# Allegro board 1155001-Timing_board_V3_20241024_1805_pcb.brd (continued)
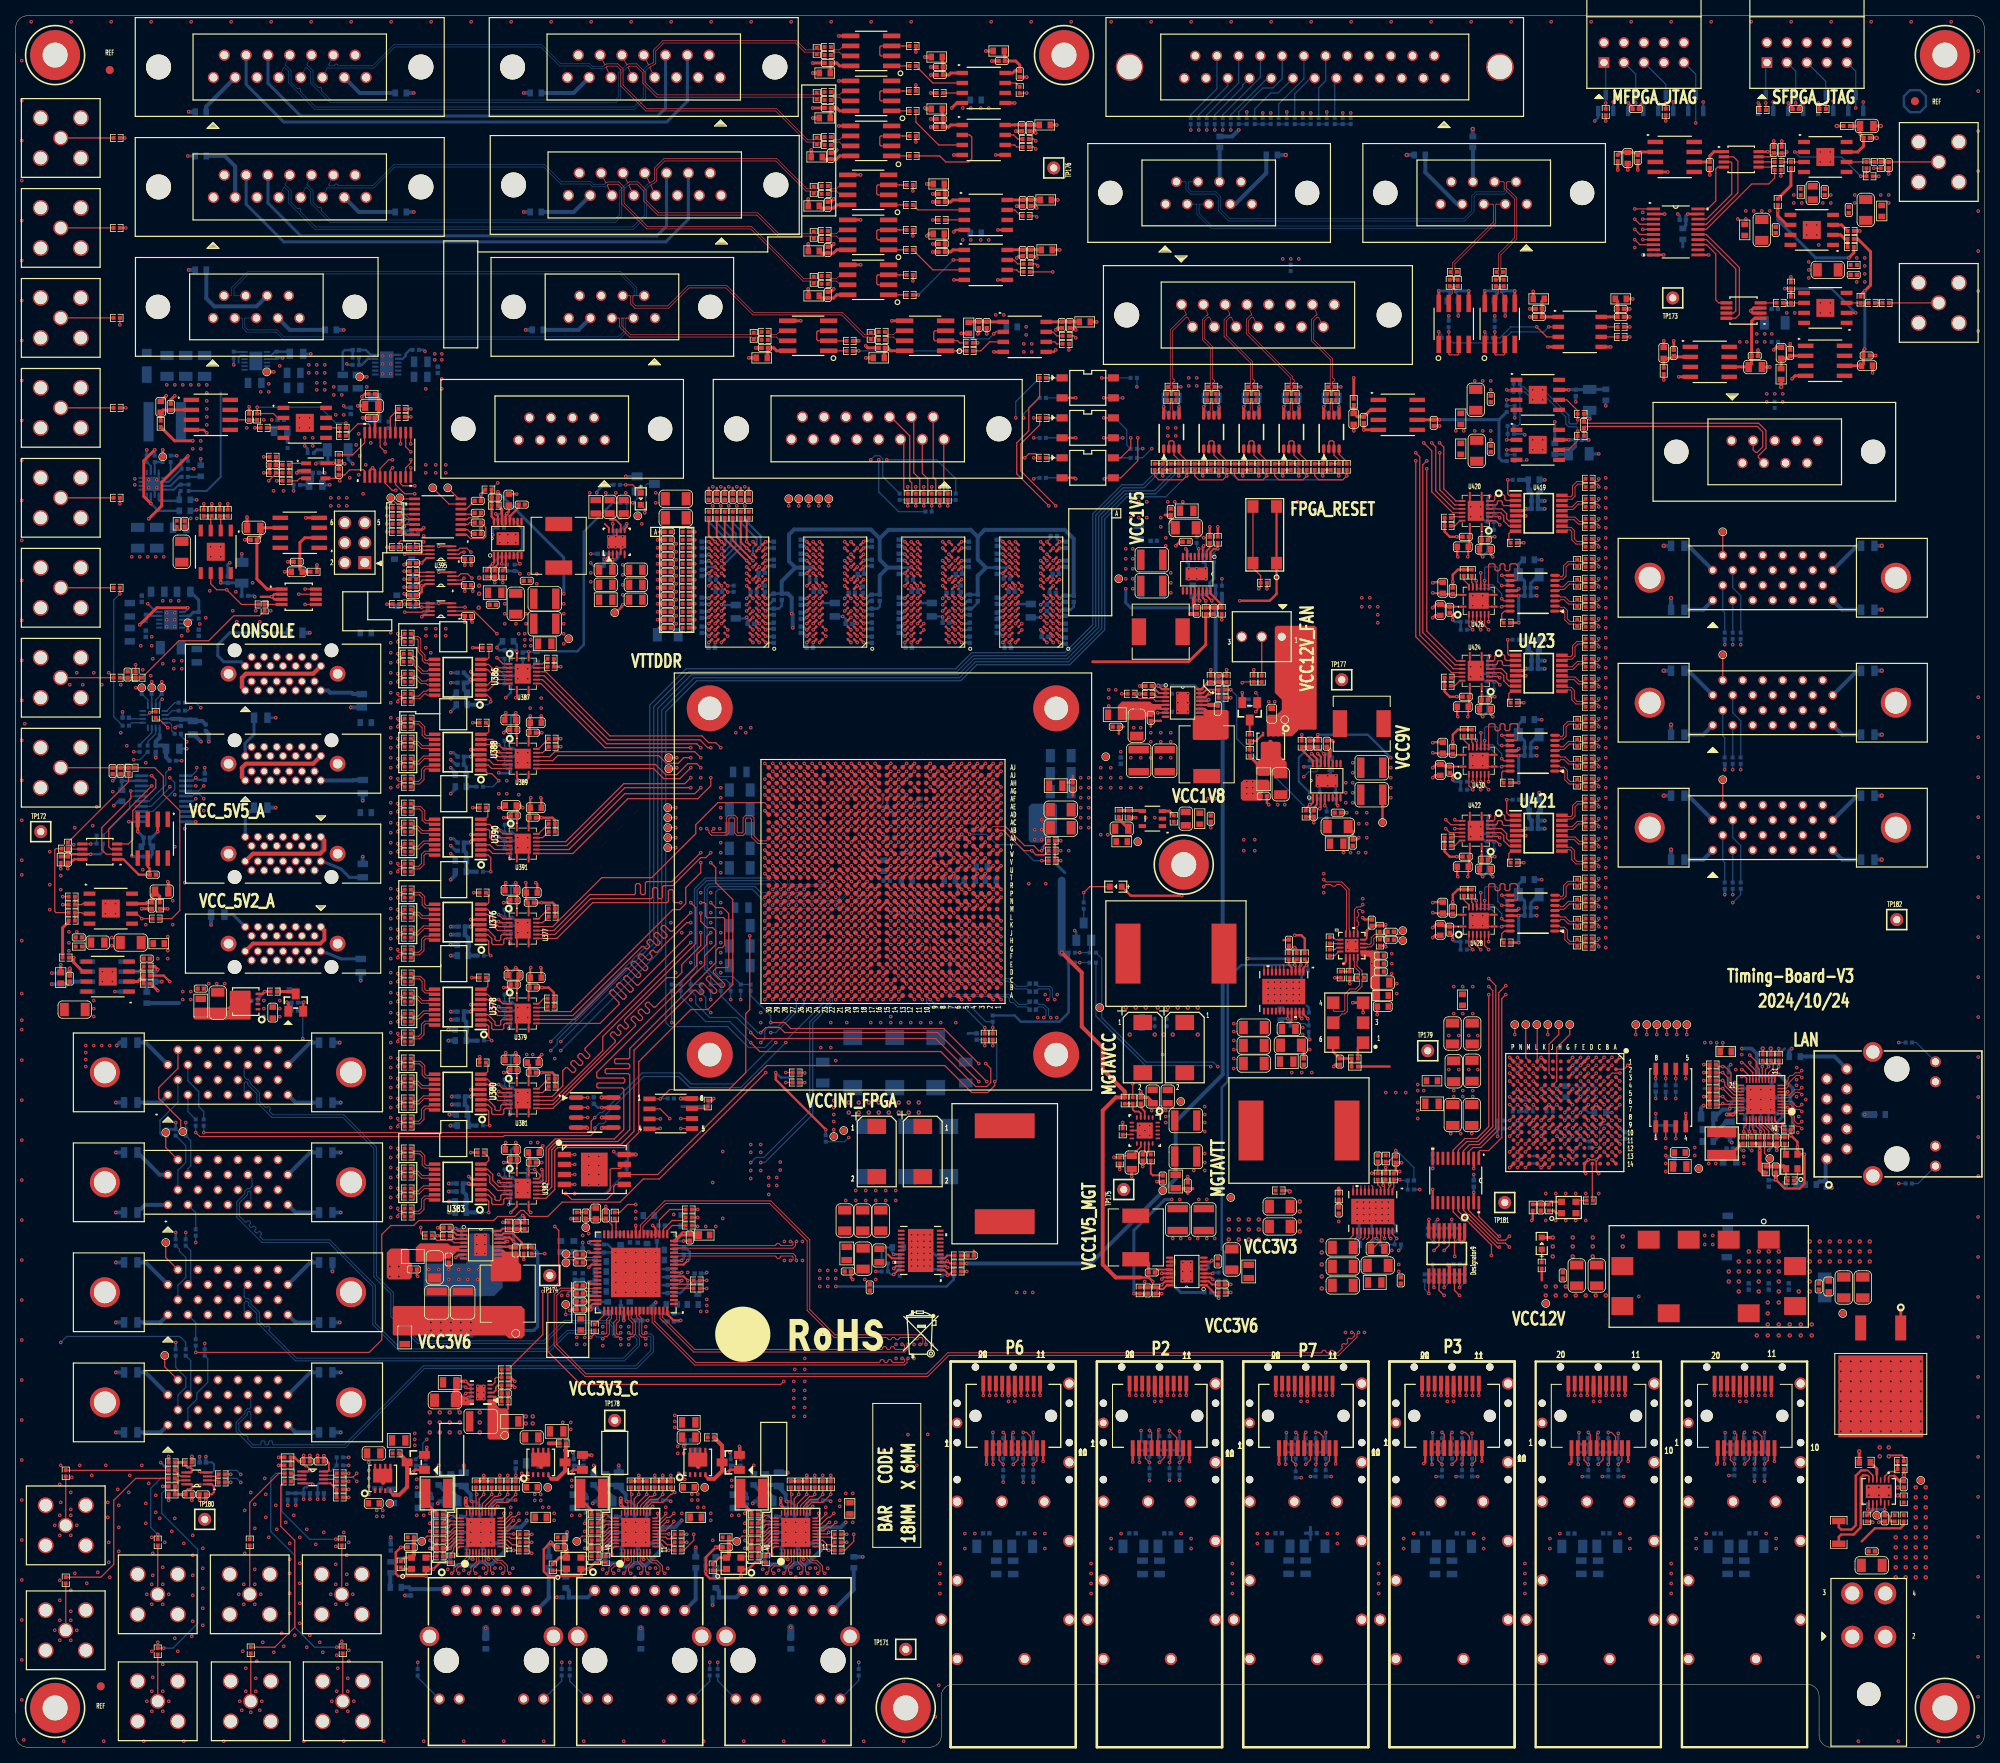
[diagram p0: board, top side]
## Placement (name value [footprint] x y rotation side) (continued)
U404  -  [ISL3259EIBZ]  115.5 179.33 180 top
U405  -  [ISL3259EIBZ]  108.64 204.1 180 top
U406  -  [ISL3259EIBZ]  108.64 209.81 180 top
U407  -  [ISL3259EIBZ]  108.64 215.53 180 top
U408  -  [ADUM120N0BRZ]  122.94 204.22 0 top
U409  -  [ADUM120N0BRZ]  122.94 210.82 0 top
U410  -  [ISL3259EIBZ]  108.26 186.45 180 top
U411  -  [ISL3259EIBZ]  108.26 192.16 180 top
U412  -  [ISL3259EIBZ]  108.26 197.88 180 top
U413  -  [ADUM120N0BRZ]  123.19 188.34 0 top
U414  -  [ADUM120N0BRZ]  123.19 194.69 0 top
U415  -  [ADA4625-1ARDZ]  25.4 151.89 270 top
U416  -  [ADR4525BRZ]  11.56 97.92 180 bottom
U417  -  [ADA4625-1ARDZ]  11.68 97.92 180 top
U419  DSLVDS1047PWR  [SOP65P640X120-16N]  193.42 156.78 0 top
U420  -  [SN74AVC4T245RGYR]  185.42 157.1 90 top
U421  DSLVDS1047PWR  [SOP65P640X120-16N]  193.42 116.14 0 top
U422  -  [SN74AVC4T245RGYR]  185.42 116.46 90 top
U423  DSLVDS1047PWR  [SOP65P640X120-16N]  193.42 136.46 0 top
U424  -  [SN74AVC4T245RGYR]  185.42 136.78 90 top
U425  -  [DSLVDS1048PWR]  192.62 146.62 180 top
U426  -  [SN74AVC4T245RGYR]  185.8 145.67 0 top
U427  -  [DSLVDS1048PWR]  192.62 105.98 180 top
U428  -  [SN74AVC4T245RGYR]  185.8 105.03 0 top
U429  -  [DSLVDS1048PWR]  192.62 126.3 180 top
U430  -  [SN74AVC4T245RGYR]  185.8 125.35 0 top
U431  -  [TXS0108EPWR]  182.88 72.01 270 top
U432  -  [TCA9546APWR]  181.74 62.74 270 top
U433  -  [ADR4550BRZ]  210.69 202.06 0 top
U434  -  [MAX5216GUA]  219.13 201.75 0 top
U435  -  [TXS0108EPWR]  210.82 192.53 0 top
U436  -  [ADA4625-1ARDZ]  229.82 202.06 0 top
U437  -  [THVD1450DGKR]  167.09 167.11 90 top
U439  -  [ADR4525BRZ]  229.79 176.16 0 top
U440  -  [ADA4625-1ARDZ]  228.09 192.79 180 top
U441  -  [ADA4625-1ARDZ]  229.82 182.88 180 top
U443  -  [AD7680BRMZ]  219.42 182.54 180 top
U444  -  [ADR4550BRZ]  215.14 176.02 0 top
U445  -  [THVD1450DGKR]  156.93 167.11 90 top
U446  -  [THVD1450DGKR]  151.85 167.11 90 top
U447  -  [THVD1450DGKR]  146.77 167.11 90 top
U448  -  [THVD1450DGKR]  162.01 167.11 90 top
U454  -  [ADR4550BRZ]  175.51 169.29 0 top
U455  -  [ADA4625-1ARDZ]  193.29 165.48 0 top
U456  -  [ADA4625-1ARDZ]  193.29 171.83 0 top
U457  -  [ADUM120N0BRZ]  198.63 179.83 0 top
U458  -  [ISL3259EIBZ]  182.63 180.85 90 top
U459  -  [ISL3259EIBZ]  188.47 180.85 90 top

## Library data of the parts
C2 C13-C15 C22 C23 C44 C72 C73 C97 C140 C461-C463 C490-C492 C505 C508-C519 C524-C527 C546-C548 C552-C555 C596-C598 C602-C605 C624-C626 C630-C633 C641 C798-C800 C815 C839 C842 C847 C849 C851-C853 C864 C866 C881 C883 C885 C1184-C1186 C2251-C2256 C2404 C2405 C2408 C2409 C2420 C2426 C2428 C2599-C2602 C2605 C2607-C2611 C2613 C2614 C2617 C2618 C2620 C2622-C2626 C2628 C2629 C2632 C2771 C2772 C2795-C2802 C2852 C2853 C2855 C2857-C2861 C2863 C2864 C2871 C2873 C2875 C2878 C2879 C2887 C2888 C2895 C2896 C2908 C2910 C2913 C2914 C2920 C2921 C2944-C2950 C3022 C3023 C3026 C3027 C3031 C3032 C3035 C3037 C3046 C3047 C3067 C3069 C3071 C3073 C3075 C3077 C3079 C3080 C3085 C3086 = 0_1UF_0
C78 C99 C114 C115 C1153-C1156 C1162 C1178 C1197 C1202-C1205 C1212-C1215 C1228 C1274 C2406 C2407 C2410 C2411 C2537 C2579 C3024 C3025 C3028 C3029 = 22UF_0
C123 = 47UF_0: signal model: SR0402-BGA_0
C143 C399 C418 C421 C521 C549 C599 C627 C766 C770 C777 C784 C791 C1168-C1174 C1193-C1196 C1224-C1227 C1232 C1233 C1267-C1270 C2434 C2533-C2536 C2581 = 47UF_0
C144-C148 C150-C153 C419 C420 C422 C495-C504 C506 C507 C522 C523 C528-C536 C538-C543 C550 C551 C556-C565 C567-C573 C578-C587 C589-C595 C600 C601 C606-C615 C617-C623 C628 C629 C753 C754 C757-C759 C767 C768 C771 C773 C774 C778-C783 C785-C790 C792-C797 C865 C995 C996 C999 C1151 C2259-C2266 C2268 C2269 C2272-C2279 C2615 C2630 C2865 = 4_7UF_0
C159-C162 C400-C402 C493 C494 C636 C638 C639 C751 C2633-C2636 = 100UF_0
C187 C520 C544 C545 C574-C577 C930 C932 C934 C935 C938-C942 C967 C968 C989 C990 C993 C994 C1000 C1003 C1005 C1007-C1009 C1012 C1015 C1018 C1021 C1024 C1027 C1030 C1033 C1135 C1136 C1145 C1146 C1148 C1152 C1159 C1163 C1165-C1167 C1176 C1177 C1179-C1183 C1187 C1188 C1190-C1192 C1198 C1201 C1208 C1211 C1218 C1219 C1221-C1223 C1229-C1231 C1235 C1265 C1272 C1273 C1275 C1276 C1338 C1340 C1348 C2422 C2423 C2425 C2430 C2432 C2435 C2527 C2528 C2530-C2532 C2557 C2580 C2582 C2583 C2585 C2586 C2593-C2595 C2597 C2638 C2641 C2644 C2867 C2886 C2889 C2892 C2906 C2917 C2924 C2927 C2929 C2969-C2996 C2998 C3000 C3001 C3003-C3005 C3009 C3011 C3013 C3014 C3018 C3039 C3042 C3049 C3052 C3061 C3064 C3081 C3083 C3084 C3087 C3090-C3092 C3099 C3101 C3102 C3104 C3107 C3109 C3110 C3112 C3114 C3115 C3117 C3119 C3121 C3132 C3137 C3138 C3140 C3142 C3144-C3151 = 0_01UF_0
C217 = 0_1UF_0: signal model: SC0402-BGA-A_100NF/25V
C224 C640 C1157 C1206 C1216 C2110 C2591 C3016 C3017 = 4_7UF_1
C250 C566 C588 C616 C841 C846 C850 C1234 C1237 C1238 C1339 C1341 C2598 C2603 C2604 C2606 C2612 C2616 C2619 C2621 C2627 C2639 C2640 C2642 C2645 C2851 C2854 C2856 C2862 C2868 C3113 = 10UF_1
C271 C838 C1006 C1011 C1014 C1017 C1020 C1023 C1026 C1029 C1032 C1035 C1140 C2631 C2637 C2769 C2770 C2870 C2882 C2890 C2893 C2907 C2918 C2925 C2928 C3040 C3043 C3050 C3053 C3062 C3065 = 1000PF_0
C340-C344 C882 C884 C933 C2109 C2111 C2421 C2429 C2433 C2558 C3002 C3088 C3089 C3095 C3116 C3118 C3120 C3122 = 10UF_0
C642 = 0_01UF_0: signal model: SC0402_100NF/10V
C854 C855 = 0_1UF_0: signal model: SC0402_100NF/10V
C859 = 10UF_1: signal model: SC0402_100NF/10V
C936 C997 C1001 C1002 C1004 C1010 C1013 C1016 C1019 C1022 C1025 C1028 C1031 C1034 C1144 C1158 C1164 C1175 C1189 C1207 C1217 C1220 C1264 C1271 C1347 C2257 C2258 C2267 C2270 C2271 C2424 C2529 C2584 C2596 C2643 C2646 C2869 C2874 C2876 C2877 C2880 C2881 C2883-C2885 C2891 C2894 C2897 C2904 C2909 C2911 C2912 C2915 C2916 C2919 C2922 C2923 C2926 C3006-C3008 C3010 C3030 C3033 C3034 C3036 C3038 C3041 C3044 C3045 C3048 C3068 C3070 C3072 C3074 C3076 C3078 C3082 C3094 C3098 C3100 C3111 C3136 = 1UF_0
C1134 C1137-C1139 C1142 C1147 C1149 C1150 C1349 C2647 C2648 C2930 C2931 C2936-C2938 C2997 C2999 C3012 C3015 C3019 C3060 C3063 C3066 C3093 C3103 C3105 C3106 C3108 C3131 C3139 C3141 C3143 = 10UF_2
C2394 C2395 = 0_01UF_0: signal model: C0402_0.1UF
CC1-CC8 CC13 CC14 = 680UF_TANT_E_1
D1-D8 = BAT54CLT1G_2
D9 = DFLS240_7
DS10 DS18 DS24 = LED-GRN-SMT_LED_2
J1 J56 = 10PIN_CONNECTOR_1
J6 J106 J107 J109 = KRJ-320DNL_1
J18 = POWER_HDR_0
J31 J63-J66 J95 J96 J105 J116-J123 J125 J126 = SMA_3
J61 = HDR_5
J62 J73 J74 J77 J80 J81 J94 J104 J112-J114 = 12226-5150-00FR_framegrabbercon
J82 = DB25
J84 J87 J89 J130-J132 = DB9
J86 J91-J93 J103 J127 = J29B-15ZKWZ1V
J115 = CON_2X3
L3 L5-L7 L11 L12 L34-L36 L40-L45 L47 L48 L54-L65 L87 L89-L93 L95 L96 L98 L100 L101 L103 L117 L118 L122 L131 L134 L233 L242-L245 L257-L260 L264 L266-L271 L287 L288 L290 L292 L295 L312 L313 L322 L330-L342 L344-L348 L350-L353 L355-L361 L370-L375 L392-L401 L406 L407 L414 L415 L422-L424 L426-L434 L436-L439 L444-L446 L448 L449 L459-L479 L482-L500 L502 L504-L514 L526-L539 = BLM15HD102SN1_0
L85 L97 L99 = 2773021447_1
L86 L88 L94 L102 L116 L229 L246 L314 L349 L354 L425 = INDUCTOR3_1
MH1-MH7 = HOLE_MH_125_3
P2 P3 P6-P9 = 74441-0010_1
Q1 = 2SK1824_1
Q10 Q15 Q21 Q23 Q25 Q27 Q29 = NDS331N_SOT23_1
Q20 Q22 Q24 Q26 Q28 = CSD25402Q3A_1
R4 R8 R11-R14 R18-R23 R41 R42 R123 R124 R127-R134 R391 R392 R495-R501 R513 R516 R520 R521 R658-R660 R784 R785 R845 R849-R851 R856 R857 R860-R875 R1199 R2050-R2066 R2184 R2187 R2354 R2409 R2412 R2415 R2432-R2439 R2461 R2462 R2467 R2468 R2476 R2478-R2486 R2489-R2499 R2507 R2509-R2517 R2520-R2528 R2532 R2609 R2615 R2621 R2627 R2741 R2742 R2750 R2752-R2760 R2763-R2771 R2874-R2876 R2889 R2897 R2898 R2905 R2915 R2916 R2921 R2922 R2925 R2953 R2955 R2958 R2969 R2977 R2978 R2987 R2995 R2996 R3023 R3027 R3029 R3031 R3055 R3061 R3067 R3072 R3077 R3085 R3090 R3095 R3103 R3104 R3151 R3175-R3184 R3186-R3195 R3199-R3201 R3215-R3217 R3231-R3233 R3245 R3246 R3257 R3258 R3267 R3268 R3283 R3415 R3420 = 4_7K_0
R87 R3120 = 249_0402
R159-R164 R460-R478 R481 R482 R488 = 80_6_0
R165 R985 R3114 R3287 = 100_0
R219-R221 R277 R455 R456 R667 R668 R987 R1033 R1034 R1036-R1050 R1052 R1055-R1058 R1062 R1063 R1065 R1068 R1072-R1074 R1076-R1080 R1083-R1086 R1089 R1091-R1095 R1098-R1100 R1103 R1107-R1109 R1112 R1139 R1144 R1146 R1147 R1196 R1198 R1894 R1895 R2073-R2075 R2079 R2080 R2274 R2278-R2280 R2402-R2404 R2440 R2530 R2531 R2533-R2535 R2537 R2538 R2540 R2541 R2774 R2776 R3058 R3064 R3070 R3075 R3080 R3088 R3093 R3098 R3108 R3109 R3112 R3113 R3118 R3121 R3123 R3124 R3127-R3129 R3131 R3134 R3150 R3284 R3285 R3328-R3330 R3338 R3339 R3341-R3343 R3345 R3346 R3352 R3354 R3358-R3360 R3362 R3366-R3368 R3370 R3374-R3376 R3378 R3382-R3384 R3407 R3408 R3411 R3412 R3419 R3424 = 10_0K_0
R233 = 15_1: signal model: SR0402-BGA_0
R276 R337-R342 R657 R1928 R2469 R2470 R2500 R2501 R2558-R2561 R2610 R2611 R2613 R2616 R2618 R2620 R2622 R2623 R2625 R2628 R2630 R2632 R2743 R2744 R2772 R2873 R2883 R2884 R2886 R2887 R2891 R2901-R2904 R2907 R2917-R2920 R2923 R2924 R2926 R2927 R2929 R2954 R2963 R2965-R2967 R2971 R2981-R2984 R2986 R2997-R3000 R3006 R3028 R3032 R3152 R3174 R3185 R3203 R3209-R3212 R3219 R3225-R3228 R3235 R3241-R3244 R3247-R3256 R3259-R3266 R3269-R3274 = 1_00K_0
R395 R396 R787 R834 R835 R2573-R2576 R2790 R2791 = 261_0
R458 R490 R492 R494 = 100_C402_0
R459 R669 R786 R844 R848 R852-R855 R858 R931 R934-R937 R943-R946 R986 R993-R1001 R1051 R1054 R1059 R1060 R1064 R1067 R1070 R1075 R1088 R1090 R1101 R1102 R1105 R1110 R1111 R1113-R1115 R1140 R1141 R1143 R1149 R1154 R1197 R1908 R1910 R1911 R1922-R1924 R1929 R2047 R2048 R2071 R2077 R2078 R2083 R2162-R2167 R2169 R2185 R2186 R2188 R2189 R2273 R2276 R2281 R2344 R2355-R2362 R2401 R2410 R2411 R2413 R2414 R2416-R2429 R2447 R2448 R2463 R2464 R2471 R2472 R2474 R2475 R2477 R2487 R2488 R2502 R2504-R2506 R2508 R2518 R2519 R2536 R2539 R2612 R2614 R2617 R2619 R2624 R2626 R2629 R2631 R2745 R2747-R2749 R2751 R2761 R2762 R2775 R2877-R2882 R2890 R2892-R2896 R2899 R2900 R2909-R2914 R2928 R2930 R2933-R2936 R2939 R2941 R2947 R2948 R2951 R2952 R2956 R2957 R2959-R2962 R2964 R2968 R2970 R2972-R2976 R2979 R2980 R2985 R2988-R2994 R3005 R3056 R3057 R3062 R3063 R3068 R3069 R3073 R3074 R3078 R3079 R3086 R3087 R3091 R3092 R3096 R3097 R3197 R3198 R3202 R3204-R3208 R3213 R3214 R3218 R3220-R3224 R3229 R3230 R3234 R3236-R3240 R3291 R3292 R3303-R3326 R3356 R3357 R3364 R3365 R3372 R3373 R3380 R3381 R3417 R3418 R3422 R3423 = 0_0: signal model: 0_0_R0402_0_0
R479 R480 R483 R484 = 80_6_0: signal model: SR0402-BGA_0
R502 R506 R508 R676 R678 R680 R833 R2563 R2564 R2785 = 15_1
R503-R505 R507 R509-R512 R670 = 15_1: signal model: 15_1_R0402_0_0
R517 = 4_7K_0: signal model: SR0603_49.9
R665 R666 R788-R791 R984 R988 R1004 R1005 R1053 R1061 R1066 R1069 R1071 R1081 R1104 R1106 R1142 R1145 R1925 R2046 R2127-R2132 R2168 R2183 R2190-R2199 R2275 R2277 R2327-R2331 R2345 R2352 R2353 R2368 R2405-R2407 R2449-R2453 R2458 R2459 R2473 R2503 R2529 R2746 R2777-R2784 R2805 R2806 R3024-R3026 R3034 R3059 R3060 R3065 R3066 R3071 R3076 R3081-R3084 R3089 R3094 R3099-R3102 R3106 R3111 R3116 R3117 R3119 R3122 R3125 R3126 R3130 R3141 R3142 R3149 R3153-R3173 R3196 R3275-R3282 R3288 R3327 R3331 R3340 R3344 R3348 R3350 R3351 R3353 R3355 R3361 R3363 R3369 R3371 R3377 R3379 R3385 R3398 R3400 R3402 R3405 R3406 R3409 R3410 R3413 R3414 R3416 R3421 = 0_0
R991 R992 R3110 R3115 R3286 R3347 = 49_9_0
R2070 = 49_9_0: signal model: 0_0_R0402_0_0
SW8 = TL3301EF100QG-ND_0
TP20 TP31 TP32 TP37-TP45 TP47-TP50 TP52 TP60-TP62 TP68 TP69 TP78-TP80 TP86 TP90-TP106 TP110 TP111 TP116 TP117 TP133-TP138 TP142 TP143 TP145-TP147 TP149 TP158-TP170 TP183-TP186 = TEST-POINT_1
TP171-TP182 = TEST POINT
U3 = MAX232A_0
U6 = AT25M01-SHM-B_1
U7 = W25Q16DVUUIG_3
U23 = TPS51200DRCT_0
U75-U78 = MT41K512M16TNA-125_2
U79 = TMP75BIDR_1
U88 = XC7S15-1FTGB196I_2
U89 = W25Q16DVUUIG_4
U90 U94 U326 U328 U375 = NZ2520SB_2
U93 U325 U327 U374 = RTL8211F_2
U98 = AD5592RBCPZ-1-RL7_0
U103 = SIT5021AI-2DE-33E-100_0.000000X
U105 = HMC7044LP10BE_1
U111 = QPI-12LZ
U112 = LT4356-1_1
U113 U117 U118 = TPS53353DQPR_5
U114-U116 U119 U126 U298 = LT8610EMSE_3
U120 = TPS7A8500ARGRR_3
U127 = MAX22026FAWA_3
U133 = LT1763CDE-1P8PBF_0
U134 = HEAT_SINK_5
U239 = LT3094EDDPBF_0
U245 = LMK1D1204RGTR_1
U247 = XC7K325T-2FFG900I_4
U267 = AD8065ARTZ-REEL
U268 U317 U433 U444 U454 = ADR4550BRZ
U269 U305 U415 U417 U436 U440 U441 U455 U456 = ADA4625-1ARDZ
U271 = AD5445YRUZ_1
U280 U303 U304 U313-U315 = AB37S
U318 U434 = MAX5216GUA
U321 = LT3045EDDPBF
U322 = ADR4550BRZ_0
U323 U443 = AD7680BRMZ_0
U324 U431 U435 = TXS0108E_1
U329 = R1112NXX1B_1
U350-U353 U394-U396 = SN74LVC2T45DCUR
U376 U378 U380 U383 U386 U388 U390 U419 U421 U423 = DSLVDS1047PWR_1
U377 U379 U381 U382 U387 U389 U391 U420 U422 U424 U426 U428 U430 = SN74AVC4T245RGYR_1
U392 = ADP5074ACPZ-R7_1
U402 U404-U407 U410-U412 U458 U459 = SN65HVD78DR_2
U403 U408 U409 U413 U414 U457 = ADUM120N0BRZ
U416 U439 = ADR4520BRZ
U425 U427 U429 = DSLVDS1048PWR
U432 = TCA9546APWR_1
U437 U445-U448 = THVD1450DGKR

## Footprints (pads in the part's own frame, mm; a bottom-side part is the same pattern mirrored in y, then rotated)
25AA512T
  rect 0.61x1.549 smd: 1(-1.861,-2.7) 2(-0.591,-2.7) 3(0.679,-2.7) 4(1.949,-2.7) 5(1.905,2.7) 6(0.635,2.7) 7(-0.635,2.7) 8(-1.905,2.7)
10226-6212PC
  round 3.81 hole 2.794: (-15.63,0) (15.63,0)
  round 1.118 hole 0.711: 1(-7.62,-2.86) 2(-6.35,-0.96) 3(-5.08,-2.86) 4(-3.81,-0.96) 5(-2.54,-2.86) 6(-1.27,-0.96) 7(0,-2.86) 8(1.27,-0.96) 9(2.54,-2.86) 10(3.81,-0.96) 11(5.08,-2.86) 12(6.35,-0.96) 13(7.62,-2.86) 14(-7.62,0.96) 15(-6.35,2.86) 16(-5.08,0.96) 17(-3.81,2.86) 18(-2.54,0.96) 19(-1.27,2.86) 20(0,0.96) 21(1.27,2.86) 22(2.54,0.96) 23(3.81,2.86) 24(5.08,0.96) 25(6.35,2.86) 26(7.62,0.96)
12226-1150-00FR
  round 2.007 hole 1.219: (-6.925,0) (6.925,0)
  round 1.753 hole 1.753 unplated: (-6.15,-2.975) (6.15,-2.975)
  round 1.016 hole 0.711: 1(4.8,2.13) 2(4,0.98) 3(3.2,2.13) 4(2.4,0.98) 5(1.6,2.13) 6(0.8,0.98) 7(0,2.13) 8(-0.8,0.98) 9(-1.6,2.13) 10(-2.4,0.98) 11(-3.2,2.13) 12(-4,0.98) 13(-4.8,2.13) 14(4.8,-0.98) 15(4,-2.13) 16(3.2,-0.98) 17(2.4,-2.13) 18(1.6,-0.98) 19(0.8,-2.13) 20(0,-0.98) 21(-0.8,-2.13) 22(-1.6,-0.98) 23(-2.4,-2.13) 24(-3.2,-0.98) 25(-4,-2.13) 26(-4.8,-0.98)
0022112032
  rect 1.372x1.372 hole 1.016: 1(-2.54,0)
  round 1.372 hole 1.016: 2(0,0) 3(2.54,0)
0039301040
  round 2.997 hole 2.997: (0,-3.8)
  round 2.794 hole 1.803: 1(-2.1,3.5) 2(2.1,3.5) 3(-2.1,9) 4(2.1,9)
0744410010_0747370010
  round 0.94 hole 0.94 unplated: (22.799,8.58) (22.799,-5.669) (27.501,8.58) (27.501,-5.669) (32.499,8.58) (32.499,-5.669) (37.099,6.251) (37.099,1.45) (37.099,-3.35)
  round 1.549 hole 1.549 unplated: (30.899,6.251) (30.899,-3.35)
  rect 2.007x0.508 smd: 1(26.8,4.849) 2(26.8,4.049) 3(26.8,3.249) 4(26.8,2.449) 5(26.8,1.649) 6(26.8,0.849) 7(26.8,0.049) 8(26.8,-0.751) 9(26.8,-1.551) 10(26.8,-2.351) 11(35.001,-1.95) 12(35.001,-1.15) 13(35.001,-0.35) 14(35.001,0.45) 15(35.001,1.25) 16(35.001,2.05) 17(35.001,2.85) 18(35.001,3.65) 19(35.001,4.45) 20(35.001,5.25)
  round 1.346 hole 0.838: 21(30,8.58)
  round 1.549 hole 1.041: 22(20,8.58) 23(10,8.58) 24(0,8.58) 25(0,0) 26(5.001,-5.669) 27(15.001,-5.669) 28(25.001,-5.669) 29(35.001,-5.669) 30(20,-2.499) 31(20,2.901) 32(5.001,10.579)
AB37S
  rect 0.889x1.397 smd: 1(-1.27,-3.252) 2(1.27,-3.252) 3(1.27,3.252) 4(-1.27,3.252)
AD5445YRUZ
  rect 1.473x0.356 smd: 1(-2.819,2.925) 2(-2.819,2.275) 3(-2.819,1.625) 4(-2.819,0.975) 5(-2.819,0.325) 6(-2.819,-0.325) 7(-2.819,-0.975) 8(-2.819,-1.625) 9(-2.819,-2.275) 10(-2.819,-2.925) 11(2.819,-2.925) 12(2.819,-2.275) 13(2.819,-1.625) 14(2.819,-0.975) 15(2.819,-0.325) 16(2.819,0.325) 17(2.819,0.975) 18(2.819,1.625) 19(2.819,2.275) 20(2.819,2.925)
AD5592RBCPZ-1-RL7
  rect 0.805x0.249 smd: 1(-1.402,0.75) 2(-1.402,0.25) 3(-1.402,-0.25) 4(-1.402,-0.75) 9(1.402,-0.75) 10(1.402,-0.25) 11(1.402,0.25) 12(1.402,0.75)
  rect 0.249x0.805 smd: 5(-0.75,-1.402) 6(-0.25,-1.402) 7(0.25,-1.402) 8(0.75,-1.402) 13(0.75,1.402) 14(0.25,1.402) 15(-0.25,1.402) 16(-0.75,1.402)
AD7680BRMZ
  rect 1.524x0.432 smd: 1(-2.172,0.975) 2(-2.172,0.325) 3(-2.172,-0.325) 4(-2.172,-0.975) 5(2.172,-0.975) 6(2.172,-0.325) 7(2.172,0.325) 8(2.172,0.975)
AD8065ARTZ
  rect 1.27x0.508 smd: 1(-1.219,0.95) 2(-1.219,0) 3(-1.219,-0.95) 4(1.219,-0.95) 5(1.219,0.95)
ADA4625-1ARDZ
  rect 1.506x0.551 smd: 1(-2.703,1.905) 2(-2.703,0.635) 3(-2.703,-0.635) 4(-2.703,-1.905) 5(2.703,-1.905) 6(2.703,-0.635) 7(2.703,0.635) 8(2.703,1.905)
  rect 2.29x2.29 smd: 9(0,0)
ADP150AUJZ
  rect 0.953x0.508 smd: 1(-1.276,0.95) 2(-1.276,0) 3(-1.276,-0.95) 4(1.276,-0.95) 5(1.276,0.95)
ADP5074_LFCSP-16
  rect 0.711x0.254 smd: 1(-1.448,0.75) 2(-1.448,0.25) 3(-1.448,-0.25) 4(-1.448,-0.75) 9(1.448,-0.75) 10(1.448,-0.25) 11(1.448,0.25) 12(1.448,0.75)
  rect 0.254x0.711 smd: 5(-0.75,-1.448) 6(-0.25,-1.448) 7(0.25,-1.448) 8(0.75,-1.448) 13(0.75,1.448) 14(0.25,1.448) 15(-0.25,1.448) 16(-0.75,1.448)
  rect 1.803x1.803 smd: 17(0,0)
ADR4525BRZ
  rect 1.981x0.559 smd: 1(-2.464,1.905) 2(-2.464,0.635) 3(-2.464,-0.635) 4(-2.464,-1.905) 5(2.464,-1.905) 6(2.464,-0.635) 7(2.464,0.635) 8(2.464,1.905)
ADR4550BRZ
  rect 1.981x0.559 smd: 1(-2.464,1.905) 2(-2.464,0.635) 3(-2.464,-0.635) 4(-2.464,-1.905) 5(2.464,-1.905) 6(2.464,-0.635) 7(2.464,0.635) 8(2.464,1.905)
ADUM120N0BRZ
  rect 1.46x0.559 smd: 1(-2.724,1.905) 2(-2.724,0.635) 3(-2.724,-0.635) 4(-2.724,-1.905) 5(2.724,-1.905) 6(2.724,-0.635) 7(2.724,0.635) 8(2.724,1.905)
ATS-61500W-C2-R0
  round 5.842 hole 2.997: 1(-22,-22) 2(22,-22) 3(22,22) 4(-22,22)
C0402
  rect 0.559x0.559 smd: 1(-0.4,0) 2(0.4,0)
C0402_BGA
  custom 0.559x0.508 smd: 1(-0.47,0) 2(0.47,0)
C0603
  rect 0.711x0.838 smd: 1(-0.7,0) 2(0.7,0)
C0805
  rect 0.838x1.295 smd: 1(-0.85,0) 2(0.85,0)
C1206
  rect 1.143x1.702 smd: 1(-1.325,0) 2(1.325,0)
C1210
  rect 0.94x2.591 smd: 1(-1.4,0) 2(1.4,0)
C2917X
  rect 2.388x1.93 smd: 1(0,-3.193) 2(0,3.193)
CON_2X3
  rect 1.651x1.651 hole 1.143: 1(-2.54,-1.27)
  round 1.651 hole 1.143: 2(-2.54,1.27) 3(0,-1.27) 4(0,1.27) 5(2.54,-1.27) 6(2.54,1.27)
CSD25402
  rect 0.61x0.305 smd: 1(-1.549,0.975) 2(-1.549,0.325) 3(-1.549,-0.325) 4(-1.549,-0.975)
  custom 2.686x2.438 smd: 5(-0.533,-0.051)
D25P24A4GV00LF
  round 3.505 hole 3.099: (-23.52,0) (23.52,0)
  round 1.321 hole 0.914: 1(-16.56,1.42) 2(-13.8,1.42) 3(-11.04,1.42) 4(-8.28,1.42) 5(-5.52,1.42) 6(-2.76,1.42) 7(0,1.42) 8(2.76,1.42) 9(5.52,1.42) 10(8.28,1.42) 11(11.04,1.42) 12(13.8,1.42) 13(16.56,1.42) 14(-15.18,-1.42) 15(-12.42,-1.42) 16(-9.66,-1.42) 17(-6.9,-1.42) 18(-4.14,-1.42) 19(-1.38,-1.42) 20(1.38,-1.42) 21(4.14,-1.42) 22(6.9,-1.42) 23(9.66,-1.42) 24(12.42,-1.42) 25(15.18,-1.42)
DSLVDS1048PWR
  oval 1.2x0.4 smd: 1(-2.85,2.275) 2(-2.85,1.625) 3(-2.85,0.975) 4(-2.85,0.325) 5(-2.85,-0.325) 6(-2.85,-0.975) 7(-2.85,-1.625) 8(-2.85,-2.275) 9(2.85,-2.275) 10(2.85,-1.625) 11(2.85,-0.975) 12(2.85,-0.325) 13(2.85,0.325) 14(2.85,0.975) 15(2.85,1.625) 16(2.85,2.275)
ECS-2520MV
  rect 0.914x0.813 smd: 1(0.925,0.725) 2(-0.925,0.725) 3(-0.925,-0.725) 4(0.925,-0.725)
HMC7044LP10BE
  rect 1.005x0.3 smd: 1(-4.852,4) 2(-4.852,3.5) 3(-4.852,3) 4(-4.852,2.5) 5(-4.852,2) 6(-4.852,1.5) 7(-4.852,1) 8(-4.852,0.5) 9(-4.852,0) 10(-4.852,-0.5) 11(-4.852,-1) 12(-4.852,-1.5) 13(-4.852,-2) 14(-4.852,-2.5) 15(-4.852,-3) 16(-4.852,-3.5) 17(-4.852,-4) 35(4.852,-4) 36(4.852,-3.5) 37(4.852,-3) 38(4.852,-2.5) 39(4.852,-2) 40(4.852,-1.5) 41(4.852,-1) 42(4.852,-0.5) 43(4.852,0) 44(4.852,0.5) 45(4.852,1) 46(4.852,1.5) 47(4.852,2) 48(4.852,2.5) 49(4.852,3) 50(4.852,3.5) 51(4.852,4)
  rect 0.3x1.005 smd: 18(-4,-4.852) 19(-3.5,-4.852) 20(-3,-4.852) 21(-2.5,-4.852) 22(-2,-4.852) 23(-1.5,-4.852) 24(-1,-4.852) 25(-0.5,-4.852) 26(0,-4.852) 27(0.5,-4.852) 28(1,-4.852) 29(1.5,-4.852) 30(2,-4.852) 31(2.5,-4.852) 32(3,-4.852) 33(3.5,-4.852) 34(4,-4.852) 52(4,4.852) 53(3.5,4.852) 54(3,4.852) 55(2.5,4.852) 56(2,4.852) 57(1.5,4.852) 58(1,4.852) 59(0.5,4.852) 60(0,4.852) 61(-0.5,4.852) 62(-1,4.852) 63(-1.5,4.852) 64(-2,4.852) 65(-2.5,4.852) 66(-3,4.852) 67(-3.5,4.852) 68(-4,4.852)
  rect 6.3x6.3 smd: 69(0,0)
IHLP_2525CZ_01
  rect 1.829x3.429 smd: 1(-2.77,0) 2(2.77,0)
ISL3259EIBZ
  rect 2.21x0.61 smd: 1(-2.6,1.905) 2(-2.6,0.635) 3(-2.6,-0.635) 4(-2.6,-1.905) 5(2.6,-1.905) 6(2.6,-0.635) 7(2.6,0.635) 8(2.6,1.905)
KRJ-320DNL_14P
  round 3.2 hole 3.2 unplated: (-5.715,0) (5.715,0)
  round 1.4 hole 0.9: 1(-5.715,8.89) 2(-4.445,6.35) 3(-3.175,8.89) 4(-1.905,6.35) 5(-0.635,8.89) 6(0.635,6.35) 7(1.905,8.89) 8(3.175,6.35) 9(4.445,8.89) 10(5.715,6.35) 11(-6.63,-4.9) 12(-4.09,-4.9) 13(4.09,-4.9) 14(6.63,-4.9)
  round 2.5 hole 1.7: 17(7.875,3.05) 18(-7.875,3.05)
L77SDAH15SOL2RM8
  round 3.175 hole 3.175 unplated: (-16.66,0) (16.66,0)
  round 1.422 hole 1.016: 1(9.695,1.329) 2(6.925,1.329) 3(4.155,1.329) 4(1.385,1.329) 5(-1.385,1.329) 6(-4.155,1.329) 7(-6.925,1.329) 8(-9.695,1.329) 9(8.31,-1.511) 10(5.54,-1.511) 11(2.77,-1.511) 12(0,-1.511) 13(-2.77,-1.511) 14(-5.54,-1.511) 15(-8.31,-1.511)
L0402
  rect 0.508x0.508 smd: 1(-0.4,0) 2(0.4,0)
L0603
  rect 0.711x0.889 smd: 1(-0.7,0) 2(0.7,0)
L717SDAH15POL2RM8
  round 3.175 hole 3.175 unplated: (-16.66,0) (16.66,0)
  round 1.422 hole 1.016: 1(-9.695,1.329) 2(-6.925,1.329) 3(-4.155,1.329) 4(-1.385,1.329) 5(1.385,1.329) 6(4.155,1.329) 7(6.925,1.329) 8(9.695,1.329) 9(-8.31,-1.511) 10(-5.54,-1.511) 11(-2.77,-1.511) 12(0,-1.511) 13(2.77,-1.511) 14(5.54,-1.511) 15(8.31,-1.511)
L0805
  rect 0.813x1.346 smd: 1(-0.85,0) 2(0.85,0)
LD09P24A4GV00LF
  round 3.099 hole 3.099 unplated: (-12.495,0) (12.495,0)
  round 1.321 hole 0.914: 1(-5.48,1.42) 2(-2.74,1.42) 3(0,1.42) 4(2.74,1.42) 5(5.48,1.42) 6(-4.11,-1.42) 7(-1.37,-1.42) 8(1.37,-1.42) 9(4.11,-1.42)
LD09S24A4GV00LF
  round 3.099 hole 3.099 unplated: (-12.495,0) (12.495,0)
  round 1.321 hole 0.914: 1(5.48,1.42) 2(2.74,1.42) 3(0,1.42) 4(-2.74,1.42) 5(-5.48,1.42) 6(4.11,-1.42) 7(1.37,-1.42) 8(-1.37,-1.42) 9(-4.11,-1.42)
LED_0603
  rect 0.76x0.8 smd: 1(-0.759,0) 2(0.759,0)
LMK1D1204RGT
  rect 0.813x0.254 smd: 1(-1.448,0.75) 2(-1.448,0.25) 3(-1.448,-0.25) 4(-1.448,-0.75) 9(1.448,-0.75) 10(1.448,-0.25) 11(1.448,0.25) 12(1.448,0.75)
  rect 0.254x0.813 smd: 5(-0.75,-1.448) 6(-0.25,-1.448) 7(0.25,-1.448) 8(0.75,-1.448) 13(0.75,1.448) 14(0.25,1.448) 15(-0.25,1.448) 16(-0.75,1.448)
  rect 1.727x1.727 smd: 17(0,0)
LT1763CDE
  rect 0.813x0.254 smd: 1(-1.448,1.25) 2(-1.448,0.75) 3(-1.448,0.25) 4(-1.448,-0.25) 5(-1.448,-0.75) 6(-1.448,-1.25) 7(1.448,-1.25) 8(1.448,-0.75) 9(1.448,-0.25) 10(1.448,0.25) 11(1.448,0.75) 12(1.448,1.25)
  rect 1.727x3.404 smd: 13(0,0)
LT3045EDD
  rect 0.813x0.254 smd: 1(-1.448,1) 2(-1.448,0.5) 3(-1.448,0) 4(-1.448,-0.5) 5(-1.448,-1) 6(1.448,-1) 7(1.448,-0.5) 8(1.448,0) 9(1.448,0.5) 10(1.448,1)
  rect 1.727x2.489 smd: 11(0,0)
LT3094EDD
  rect 0.813x0.229 smd: 1(-1.422,1.125) 2(-1.422,0.675) 3(-1.422,0.225) 4(-1.422,-0.225) 5(-1.422,-0.675) 6(-1.422,-1.125) 7(1.422,-1.125) 8(1.422,-0.675) 9(1.422,-0.225) 10(1.422,0.225) 11(1.422,0.675) 12(1.422,1.125)
  rect 1.651x2.388 smd: 13(0,0)
LT4356HDE-1
  rect 0.711x0.203 smd: 1(-1.449,1.25) 2(-1.449,0.75) 3(-1.449,0.25) 4(-1.449,-0.25) 5(-1.449,-0.75) 6(-1.449,-1.25) 7(1.449,-1.25) 8(1.449,-0.75) 9(1.449,-0.25) 10(1.449,0.25) 11(1.449,0.75) 12(1.449,1.25)
  rect 1.702x3.302 smd: 13(0,0)
LT8610AC
  rect 0.305x0.991 smd: 1(-1.75,-2.17)
  oval 0.305x0.991 smd: 2(-1.25,-2.17) 3(-0.75,-2.17) 4(-0.25,-2.17) 5(0.25,-2.17) 6(0.75,-2.17) 7(1.25,-2.17) 8(1.75,-2.17) 9(1.75,2.17) 10(1.25,2.17) 11(0.75,2.17) 12(0.25,2.17) 13(-0.25,2.17) 14(-0.75,2.17) 15(-1.25,2.17) 16(-1.75,2.17)
  rect 2.845x1.65 smd: 17(0,0)
MAX3232EUE
  rect 1.38x0.351 smd: 1(-2.94,2.275) 2(-2.94,1.625) 3(-2.94,0.975) 4(-2.94,0.325) 5(-2.94,-0.325) 6(-2.94,-0.975) 7(-2.94,-1.625) 8(-2.94,-2.275) 9(2.94,-2.275) 10(2.94,-1.625) 11(2.94,-0.975) 12(2.94,-0.325) 13(2.94,0.325) 14(2.94,0.975) 15(2.94,1.625) 16(2.94,2.275)
MAX5216GUA
  rect 1.321x0.406 smd: 1(-2.21,0.975) 2(-2.21,0.325) 3(-2.21,-0.325) 4(-2.21,-0.975) 5(2.21,-0.975) 6(2.21,-0.325) 7(2.21,0.325) 8(2.21,0.975)
MH_250H125
  round 6.35 hole 3.175: 1(0,0)
MT25QU512ABB1EW9
  rect 1.7x0.7 smd: 1(-3.8,1.9) 2(-3.8,0.64) 3(-3.8,-0.64) 4(-3.8,-1.9) 5(3.8,-1.9) 6(3.8,-0.64) 7(3.8,0.64) 8(3.8,1.9)
  rect 3.4x4.3 smd: 9(0,0)
MT41K512M16VRP
  round 0.351 smd: A1(-3.2,5.999) A2(-2.4,5.999) A3(-1.6,5.999) A7(1.6,5.999) A8(2.4,5.999) A9(3.2,5.999) B1(-3.2,5.199) B2(-2.4,5.199) B3(-1.6,5.199) B7(1.6,5.199) B8(2.4,5.199) B9(3.2,5.199) C1(-3.2,4.399) C2(-2.4,4.399) C3(-1.6,4.399) C7(1.6,4.399) C8(2.4,4.399) C9(3.2,4.399) D1(-3.2,3.599) D2(-2.4,3.599) D3(-1.6,3.599) D7(1.6,3.599) D8(2.4,3.599) D9(3.2,3.599) E1(-3.2,2.799) E2(-2.4,2.799) E3(-1.6,2.799) E7(1.6,2.799) E8(2.4,2.799) E9(3.2,2.799) F1(-3.2,1.999) F2(-2.4,1.999) F3(-1.6,1.999) F7(1.6,1.999) F8(2.4,1.999) F9(3.2,1.999) G1(-3.2,1.199) G2(-2.4,1.199) G3(-1.6,1.199) G7(1.6,1.199) G8(2.4,1.199) G9(3.2,1.199) H1(-3.2,0.399) H2(-2.4,0.399) H3(-1.6,0.399) H7(1.6,0.399) H8(2.4,0.399) H9(3.2,0.399) J1(-3.2,-0.399) J2(-2.4,-0.399) J3(-1.6,-0.399) J7(1.6,-0.399) J8(2.4,-0.399) J9(3.2,-0.399) K1(-3.2,-1.199) K2(-2.4,-1.199) K3(-1.6,-1.199) K7(1.6,-1.199) K8(2.4,-1.199) K9(3.2,-1.199) L1(-3.2,-1.999) L2(-2.4,-1.999) L3(-1.6,-1.999) L7(1.6,-1.999) L8(2.4,-1.999) L9(3.2,-1.999) M1(-3.2,-2.799) M2(-2.4,-2.799) M3(-1.6,-2.799) M7(1.6,-2.799) M8(2.4,-2.799) M9(3.2,-2.799) N1(-3.2,-3.599) N2(-2.4,-3.599) N3(-1.6,-3.599) N7(1.6,-3.599) N8(2.4,-3.599) N9(3.2,-3.599) P1(-3.2,-4.399) P2(-2.4,-4.399) P3(-1.6,-4.399) P7(1.6,-4.399) P8(2.4,-4.399) P9(3.2,-4.399) R1(-3.2,-5.199) R2(-2.4,-5.199) R3(-1.6,-5.199) R7(1.6,-5.199) R8(2.4,-5.199) R9(3.2,-5.199) T1(-3.2,-5.999) T2(-2.4,-5.999) T3(-1.6,-5.999) T7(1.6,-5.999) T8(2.4,-5.999) T9(3.2,-5.999)
